# Altium PCB mach PCB.PcbDoc (part 5 of 6) (continued)
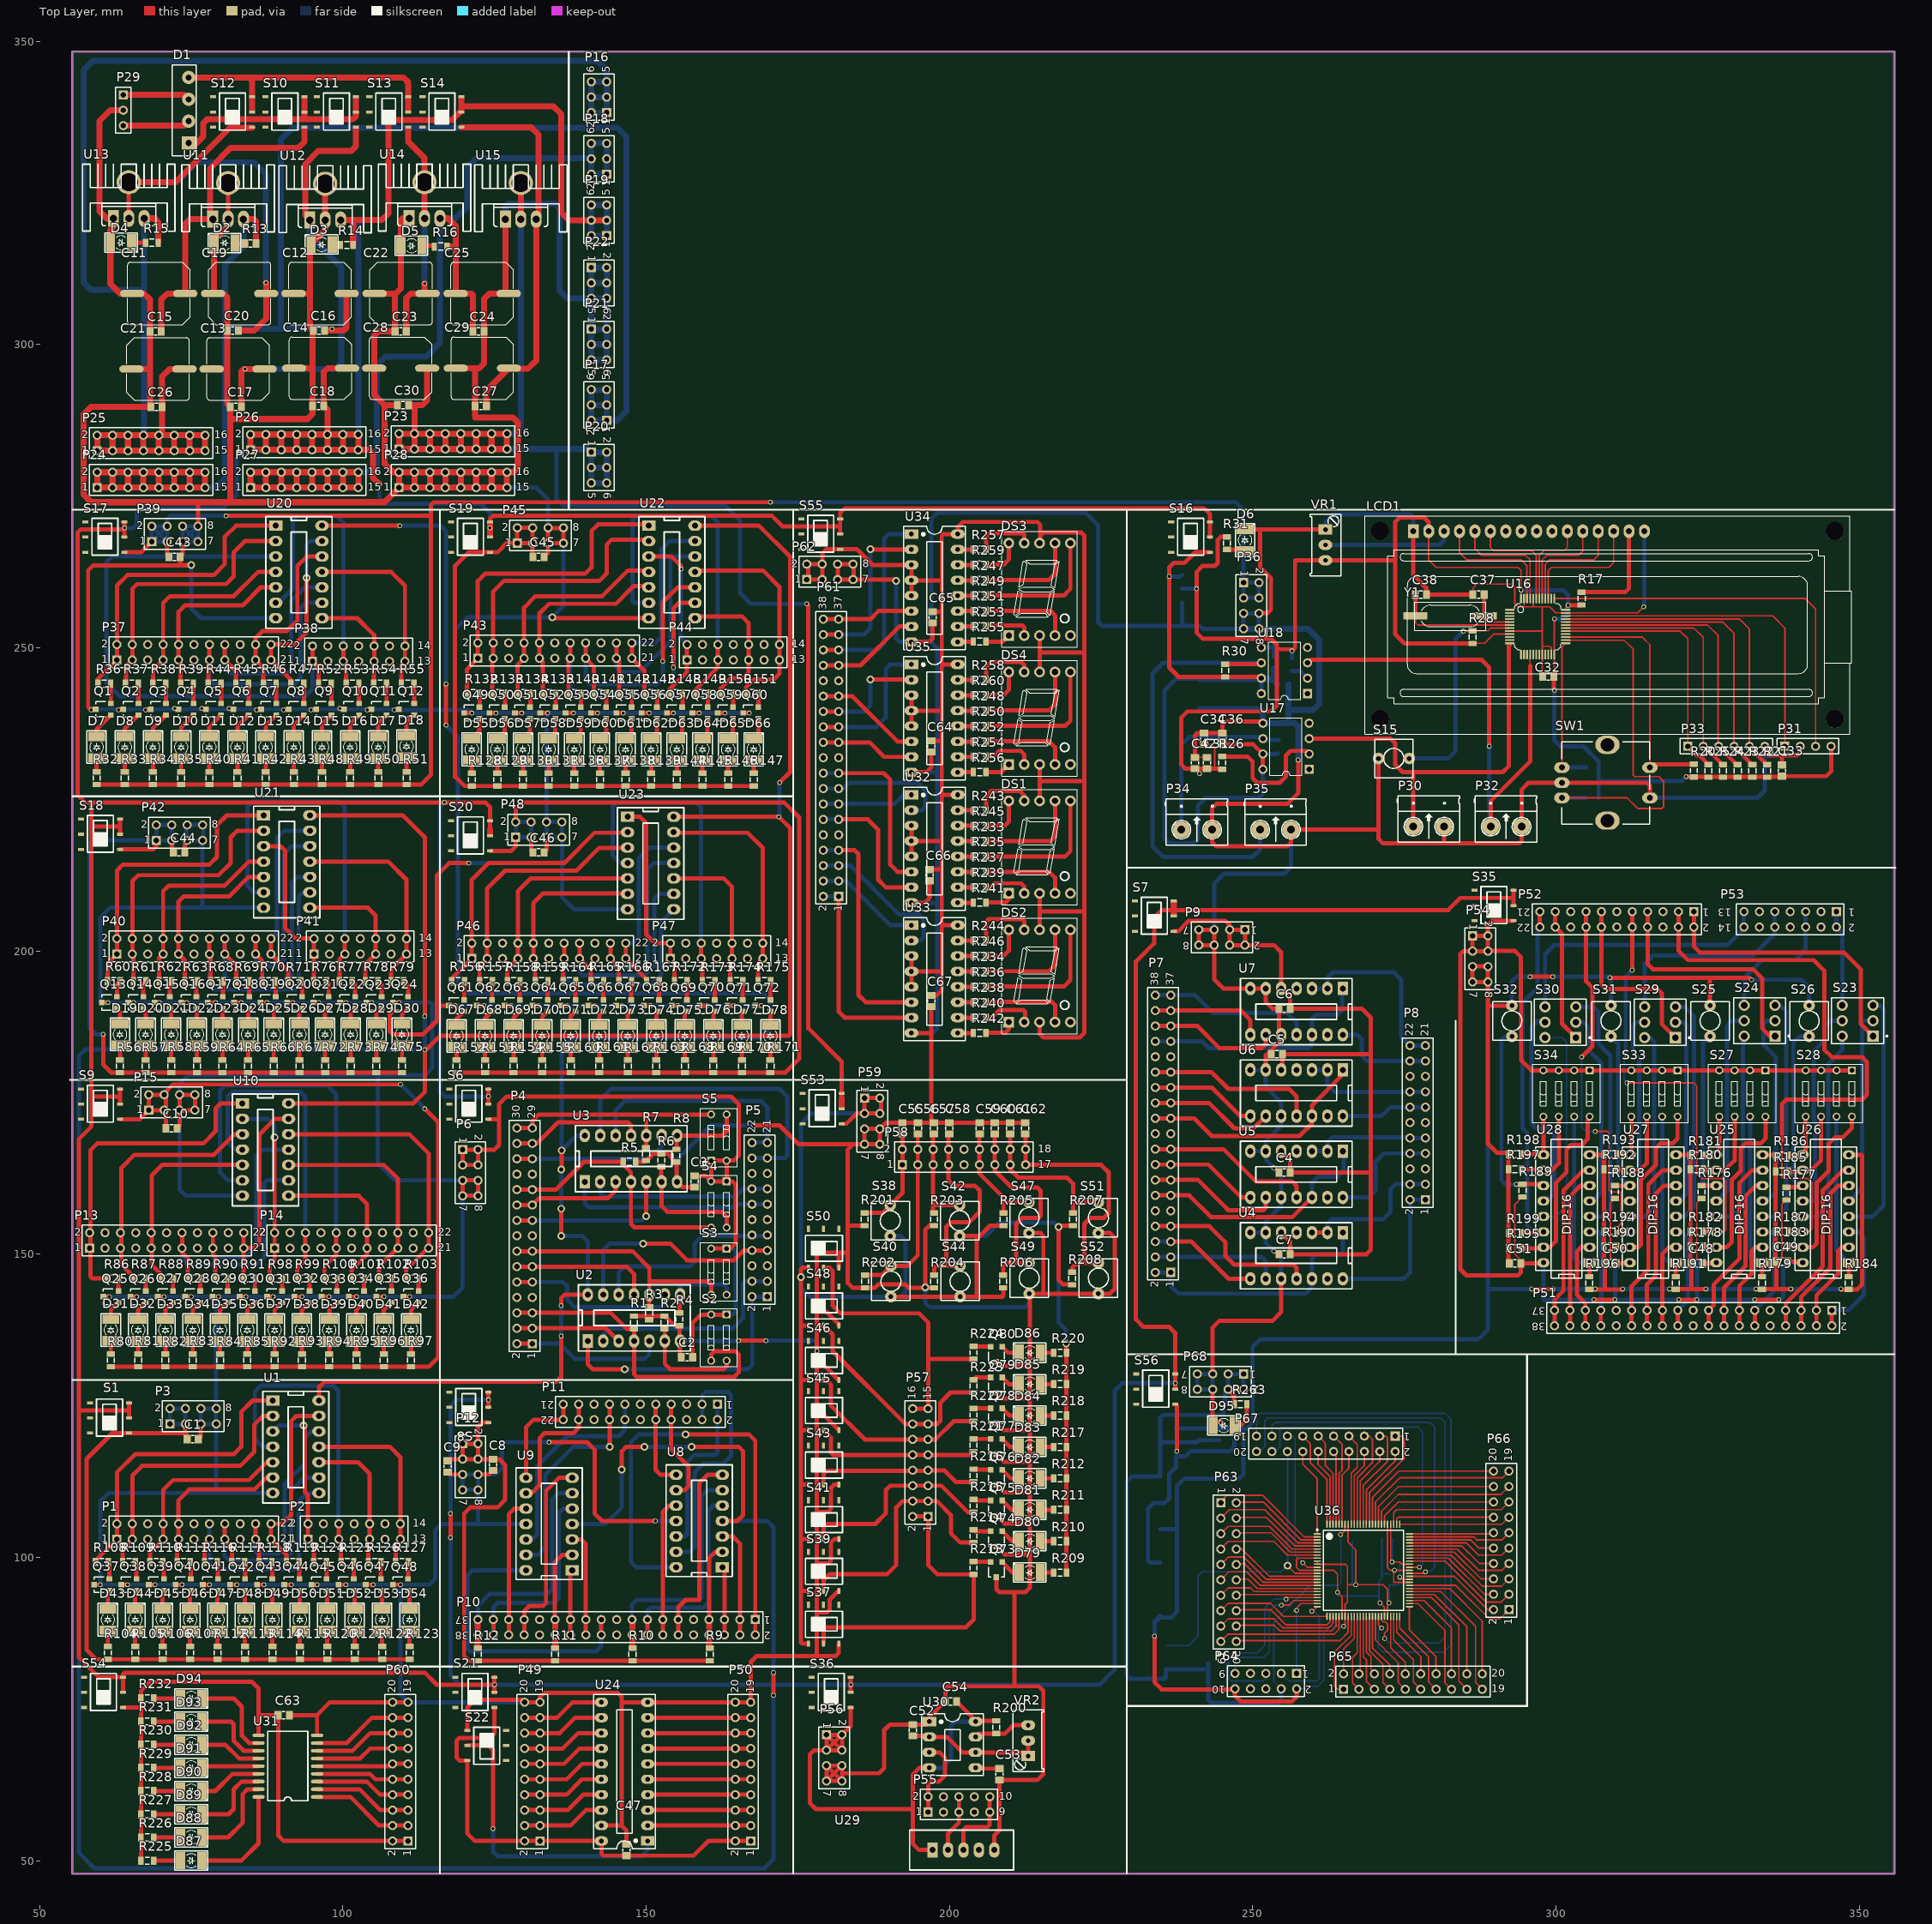
[diagram p0: Top Layer view]
## Nets (pads, with @x,y where several pads share a name; then routed paths per layer and width w, separated by ;. In a path a pad name is that pad's centre, name@x,y a point inside that pad or via, vN(x,y) a via of type N, cw(c..) or ccw(c..) an arc to the next point about the centre after c; other vN are vias at no path point) (continued)
SW6: C61.2 P58.15 P58.16 R207.1 S51.1 | length 25.8
  Top Layer w0.7: C61.2@210,169.825 210.03,169.795 P58.16@210.03,167.29 P58.15@210.03,164.75 210.03,163.97 211.36,162.64 219.36,162.64 220.393,161.607 R207.1@220.393,156.8 ; 220.813,158.563 S51.1@224.571,158.563
SW7: C62.2 P58.17 P58.18 R208.1 S52.1 | length 42.6
  Top Layer w0.7: C62.2@212.5,169.825 212.57,169.755 P58.18@212.57,167.29 P58.17@212.57,164.75 225,164.75 226.274,163.476 226.274,156.774 225.5,156 223.25,156 222.25,155 222.25,148.563 ; R208.1@220.25,147.05 220.25,147.75 221.063,148.563 222.25,148.563 ; S52.1@224.571,148.563 222.25,148.563
SWCLK: P31.3 U16.37 | length 66.5
  Top Layer w0.254: U16.37@299.75,258.116 341.134,258.116 342.83,256.42 P31.3@342.83,233.75
SWDIO: P31.1 U16.34 | length 56.6
  Top Layer w0.254: U16.34@301.5,255.273 335.727,255.273 337.75,253.25 P31.1@337.75,233.75
SYNC: P55.1 P55.2 U30.3 | length 13.8
  Top Layer w0.7: P55.1@196.5,58 P55.2@196.5,60.54 196.5,62.5 197,63 198.25,63 199.25,64 199.25,67 198.397,67.853 U30.3@196.69,67.853
TCK: P64.1 pad.6@257.25,91.25 R262.1 U36.24 | length 17.2
  Top Layer w0.254: 256.75,91.13 258,92.38 U36.24@260.65,92.38
  Bottom Layer w0.254: pad.6@257.25,91.25 P64.1@257.25,80.88 R262.1@259.67,80.88
TDI: P64.9 pad.7@254.75,92.13 U36.23 | length 23.7
  Top Layer w0.254: pad.7@254.75,92.13 256,92.13 256.75,92.88 U36.23@260.65,92.88
  Bottom Layer w0.254: P64.9@247.09,80.88 247.09,83.09 247.5,83.5 251.75,83.5 252.75,84.5 252.75,91.13 253.75,92.13 pad.7@254.75,92.13
TDO: P64.3 pad.5@259.75,91.13 U36.25 | length 20
  Top Layer w0.254: pad.5@259.75,91.13 259.9,91.13 U36.25@260.65,91.88
  Bottom Layer w0.254: P64.3@254.71,80.88 255.96,79.63 260.63,79.63 261,80 261,90.25 260.12,91.13 pad.5@259.75,91.13
TMS: P64.5 pad.8@255.5,93.13 R261.2 U36.22 | length 34.6
  Top Layer w0.254: pad.8@255.5,93.13 255.75,93.38 U36.22@260.65,93.38
  Bottom Layer w0.254: R261.2@244.8,82.5 246.013,82.5 ; P64.5@252.17,80.88 252.17,80.05 251.75,79.63 246.25,79.63 246.013,79.867 246.013,82.5 ; pad.8@255.5,93.13 253.5,93.13 252,91.63 252,85.5 250.75,84.25 246.5,84.25 246.013,83.763 246.013,82.5
TRIG: P55.9 P55.10 U29.3 | length 12.6
  Top Layer w0.7: U29.3@202.33,51.75 202.33,55.08 202.75,55.5 206.25,55.5 206.66,55.91 P55.9@206.66,58 P55.10@206.66,60.54
V+: D1.1 S10.2 S10.3 S11.2 S11.3 | length 45.2
  Top Layer w0.7: 93.53,337.245 101.785,337.245
  Top Layer w1: D1.1@74.575,333.242 75.938,333.242 77,334.304 77,336.5 77.634,337.134 101.674,337.134 101.785,337.245 102.166,337.626 S11.2@102.166,338.348 102.166,340.547 ; 93.53,337.245 93.657,337.372 S10.2@93.657,338.348 93.657,340.547
V-: D1.4 S12.2 S12.3 S13.2 S13.3 | length 46.8
  Top Layer w1: D1.4@74.575,344.042 84.513,344.042 ; 85.021,338.642 S12.3@85.021,340.848 85.021,343.534 84.513,344.042 ; 110.802,338.642 S13.3@110.802,340.848 110.802,343.214 109.974,344.042 84.513,344.042
V-AND: C43.1 P36.1 P36.2 P36.3 P36.4 P39.1 P39.2 P39.3 P39.4 pad.52 pad.79 R32.2 R33.2 R34.2 R35.2 R40.2 R41.2 R42.2 R43.2 R48.2 R49.2 R50.2 R51.2 S17.1 | length 327.7
  Top Layer w0.7: R32.2@59.403,227.45 R33.2@64.048,227.45 R34.2@68.693,227.45 R35.2@73.339,227.45 R40.2@77.984,227.45 R41.2@82.629,227.45 R42.2@87.274,227.45 R43.2@91.919,227.45 R48.2@96.564,227.45 R49.2@101.21,227.45 R50.2@105.855,227.45 R51.2@110.5,227.45 112.95,227.45 114.5,229 114.5,271.75 ; S17.1@63.996,265.75 66.75,265.75 P39.1@68.5,267.5 ; P39.3@71.04,267.5 71.04,265.285 C43.1@71.325,265 ; pad.52@80.75,271.75 114.5,271.75 ; pad.79@170.5,274 115,274 114.5,273.5 114.5,271.75
  Bottom Layer w0.7: pad.52@80.75,271.75 71.5,271.75 71.04,271.29 P39.4@71.04,270.04 P39.4@71.04,269.96 ; pad.79@170.5,274 247.25,274 248.5,272.75 P36.1@248.5,260.75 ; P39.1@68.5,267.5 P39.2@68.5,270.04 P39.2@68.54,270 ; P39.1@68.5,267.5 P39.3@71.04,267.5 ; P39.1@68.5,267.5 69.77,268.77 ; P39.2@68.54,270 69.77,268.77 ; P39.2@68.54,270 71,270 P39.4@71.04,269.96 ; 69.77,268.77 70.96,269.96 P39.4@71.04,269.96 ; 69.77,268.77 P39.3@71.04,267.5 ; P39.3@71.04,267.5 P39.4@71.04,269.96 ; P36.1@248.5,260.75 248.5,258.25 250.58,258.25 251.04,257.79 P36.4@251.04,258.21 P36.2@251.04,260.75 P36.1@248.5,260.75
V-BUFF: C47.1 P49.1 P49.2 P50.1 P50.2 S21.1 S22.3 U24.20 | length 78.2
  Top Layer w0.7: S21.1@124.996,75.15 124.996,70.996 124.25,70.25 119.25,70.25 118.75,69.75 118.75,67 119.25,66.5 S22.3@120.504,66.5 120.5,66.496 120.5,54.5 121.75,53.25 P49.2@129.96,53.25 P49.1@132.5,53.25 U24.20@142.63,53.25 142.63,51.12 142.925,50.825 C47.1@146.75,50.825 157.825,50.825 160.25,53.25 P50.2@164.71,53.25 P50.1@167.25,53.25
V-CPLD: C68.1 C69.1 C70.1 C71.1 C72.1 C73.1 C74.1 C75.1 C77.1 C79.2 P64.4 P68.1 P68.2 P68.3 P68.4 pad.1@264,94.25 pad.2@273.38,97.88 pad.3@271,92.5 pad.6@264.5,103.75 R261.1 R263.1 U36.9 U36.13 U36.31 U36.45 U36.59 U36.63 U36.80 U36.94 U37.2 Y2.4 | length 227.9
  Top Layer w0.254: R263.1@246.95,125.25 R263.1@246.95,125.75 ; U36.9@260.65,99.88 257.38,99.88 257.25,99.75 257.25,98.342 257.712,97.88 U36.13@260.65,97.88 263.37,97.88 264,97.25 pad.1@264,94.25 264.75,93.5 U36.31@264.75,90.28 ; pad.6@264.5,103.5 pad.6@264.5,103.75 265.25,104.5 U36.94@265.25,105.48 ; pad.3@271,92.5 271.75,91.75 U36.45@271.75,90.28 ; U36.80@272.25,105.48 272.25,98.25 272.62,97.88 pad.2@273.38,97.88 ; U36.59@275.85,95.88 273.37,95.88 273.25,96 273.25,97.75 pad.2@273.38,97.88 ; U36.63@275.85,97.88 pad.2@273.38,97.88
  Top Layer w0.7: P68.4@245.96,127.71 246.95,126.72 R263.1@246.95,125.75
  Bottom Layer w0.254: C77.1@234.75,113.374 234.75,123 ; 240.75,119 241.425,119 C74.1@241.75,119.325 ; C74.1@241.825,119.25 244.575,119.25 C79.2@244.5,119.325 ; 242.7,79.75 242.755,79.805 ; P64.4@254.71,78.34 253.5,79.55 253.5,89.38 259.5,95.38 C69.1@264.075,95.38 ; pad.6@264.5,103.75 264.5,102.705 C75.1@264.575,102.63 264.575,95.88 C69.1@264.075,95.38 ; pad.3@270.825,92.675 C70.1@270.825,93.63 ; C72.1@271.325,103.13 271.325,97.25 ; C68.1@272.5,97.305 271.38,97.305 271.325,97.25 ; C69.1@264.075,95.38 264.075,94.325 pad.1@264,94.25 264,93.75 264.12,93.63 C70.1@270.825,93.63 ; C70.1@270.825,93.63 270.825,96.075 271.325,96.575 271.325,97.25
  Bottom Layer w0.7: R261.1@242.7,82.5 242.7,81.548 ; C79.2@244.5,119.325 C74.1@241.75,119.325 241.075,119.325 240.75,119 U37.2@237.4,119 234.75,119 ; P64.4@254.71,78.34 254.71,76.46 254.25,76 243.25,76 242.7,76.55 242.7,77.05 242.7,79.75 242.7,81.548 ; 234.75,119 234.75,123 235.25,123.5 245,123.5 245.25,123.75 245.25,125.075 C71.1@245.425,125.25 245.425,127.175 P68.4@245.96,127.71 ; 234.75,119 C77.1@234.75,113.374 230.124,113.374 229.25,112.5 229.25,80.5 229.75,80 235.5,80 235.672,80.172 Y2.4@235.672,81.548 242.7,81.548 ; P68.4@245.96,127.71 P68.2@248.5,127.71 P68.1@248.5,130.25 P68.3@245.96,130.25 P68.4@245.96,127.71
V-DFF: C2.1 C3.1 P6.1 P6.2 P6.3 P6.4 S2.1 S2.2 S3.1 S3.2 S4.1 S4.2 S5.1 S5.2 S6.1 | length 129.1
  Top Layer w0.7: P6.1@119.75,167.25 P6.3@119.75,164.71 P6.4@122.29,164.71 P6.2@122.29,167.25 ; 120.5,167.25 P6.2@122.29,167.25 ; S6.1@123.996,172.25 125.75,172.25 ; C2.1@157.675,133 157.675,138.675 159,140 163.08,140 S2.1@163.27,139.81 ; C3.1@158,162.925 159.818,162.925 S4.2@160.73,162.013 ; S3.2@160.73,150.93 S3.1@163.27,150.93 163.93,150.93 164.75,151.75 164.75,161.5 164.237,162.013 S4.1@163.27,162.013 ; P6.2@122.29,167.25 125,167.25 125.75,168 125.75,172.25 ; 125.75,172.25 125.75,174.75 127,176 164,176 165.25,174.75 165.25,166.25 164.44,165.44 S5.2@163.27,165.44 ; S4.2@160.73,162.013 S4.1@163.27,162.013 ; S4.2@160.73,162.013 S5.1@160.73,165.44 S5.2@163.27,165.44 ; S4.1@163.27,162.013 S5.2@163.27,165.44
  Bottom Layer w0.7: S2.1@163.27,140.06 164.31,140.06 164.75,140.5 164.75,150.5 164.32,150.93 S3.1@163.27,150.93
V-JKFF: C8.1 C9.1 P12.1 P12.2 P12.3 P12.4 R9.2 R10.2 R11.2 R12.2 S8.1 | length 100.2
  Top Layer w0.7: C9.1@117.25,115.925 117.535,116.21 P12.3@119.75,116.21 ; S8.1@123.996,122.25 123,122.25 122.29,121.54 P12.2@122.29,118.75 ; R9.2@160.5,82.95 R10.2@147.75,82.95 R11.2@135,82.95 R12.2@122.25,82.95 120.8,82.95 120,83.75 120,107.25 121,108.25 125.5,108.25 126.75,109.5 126.75,115.25 125.825,116.175 C8.1@124.75,116.175 124.715,116.21 P12.4@122.29,116.21 ; P12.3@119.75,116.21 P12.4@122.29,116.21 ; P12.3@119.75,116.21 P12.1@119.75,118.75 P12.2@122.29,118.75 ; P12.4@122.29,116.21 P12.2@122.29,118.75
V-LED: C63.1 P60.1 P60.2 R225.2 R226.2 R227.2 R228.2 R229.2 R230.2 R231.2 R232.2 S54.1 U31.10 | length 103.7
  Top Layer w0.7: S54.1@63.746,75.25 66.45,75.25 ; R225.2@66.7,50 R226.2@66.7,53.821 R227.2@66.7,57.643 R228.2@66.7,61.464 R229.2@66.7,65.286 R230.2@66.7,69.107 R231.2@66.7,72.929 R232.2@66.7,76.75 66.7,77.95 68.25,79.5 85,79.5 86.098,78.402 86.098,74 ; U31.10@86.098,70.75 86.098,74 ; P60.1@110.75,53.25 P60.2@108.21,53.25 90.25,53.25 89.325,54.175 C63.1@89.325,74 86.098,74
V-LED7: C64.1 C65.1 C66.1 C67.1 DS1.3 DS1.8 DS2.3 DS2.8 DS3.3 DS3.8 DS4.3 DS4.8 P62.1 P62.2 P62.3 P62.4 S55.1 U32.3 U32.4 U32.5 U32.16 U33.3 U33.4 U33.5 U33.16 U34.3 U34.4 U34.5 U34.16 U35.3 U35.4 U35.5 U35.16 | length 319.5
  Top Layer w0.7: P62.1@176.5,261.25 P62.3@179.04,261.25 P62.4@179.04,263.79 ; P62.1@176.75,261.5 176.75,263.54 P62.2@176.5,263.79 P62.4@179.04,263.79 ; U33.5@193.75,194.09 U33.4@193.75,196.63 ; U33.3@193.75,199.17 U33.4@193.75,196.63 ; U32.5@193.75,215.59 U32.4@193.75,218.13 ; U32.3@193.75,220.67 U32.4@193.75,218.13 ; U35.5@193.75,237.09 U35.4@193.75,239.63 ; U35.3@193.75,242.17 U35.4@193.75,239.63 ; U34.5@193.75,258.59 U34.4@193.75,261.13 ; C66.1@196.75,213.425 198.425,213.425 198.5,213.5 198.75,213.25 ; C67.1@197,192.675 197.925,192.675 198.75,193.5 198.75,196.75 ; C64.1@197,234.675 198.675,234.675 198.75,234.75 ; C65.1@197.5,256.175 C65.1@197.25,255.925 198.675,255.925 198.75,256 ; 199,225.75 U32.16@201.37,225.75 ; U33.16@201.37,204.25 198.75,204.25 ; U35.16@201.37,247.25 198.75,247.25 ; DS2.3@214.877,188.265 214.877,186.373 215.5,185.75 221.5,185.75 222.25,186.5 222.25,206.5 ; DS2.8@214.877,203.505 214.877,206.5 ; DS1.3@214.877,209.515 214.877,206.5 ; DS1.8@214.877,224.755 214.877,228 ; DS4.3@214.877,230.765 214.877,228 ; DS4.8@214.877,246.005 214.877,249.25 ; DS3.3@214.877,252.015 214.877,249.25 ; DS3.8@214.877,267.255 215,267.378 215,268.5 ; P62.4@179.04,263.79 179.04,265.54 179.75,266.25 S55.1@181.996,266.25 184.75,266.25 187.33,263.67 U34.3@193.75,263.67 U34.4@193.75,261.13 ; U33.4@193.75,196.63 198.63,196.63 198.75,196.75 ; U32.4@193.75,218.13 198.63,218.13 198.75,218.25 ; U35.4@193.75,239.63 198.63,239.63 198.75,239.75 ; U34.4@193.75,261.13 198.75,261.13 ; 198.75,196.75 198.75,204.25 ; 198.75,204.25 198.75,213.25 ; 198.75,213.25 198.75,218.25 ; 198.75,218.25 198.75,234.75 ; 198.75,234.75 198.75,239.75 ; 198.75,239.75 198.75,247.25 ; 198.75,247.25 198.75,256 ; 198.75,256 198.75,261.13 ; 198.75,261.13 198.75,268.5 199,268.75 U34.16@201.37,268.75 201.37,269.87 202.25,270.75 214.5,270.75 215,270.25 215,268.5 ; 214.877,206.5 222.25,206.5 ; 214.877,228 222.25,228 ; 214.877,249.25 222.25,249.25 ; 215,268.5 215.5,269 221.75,269 222.25,268.5 222.25,249.25 ; 222.25,206.5 222.25,228 ; 222.25,228 222.25,249.25
V-LS90: C4.1 C5.1 C6.1 C7.1 P9.1 P9.2 P9.3 P9.4 S7.1 U4.5 U5.5 U6.5 U7.5 | length 142.3
  Top Layer w0.7: S7.1@236.996,203.25 237.75,203.25 239.5,205 245.5,205 246.21,204.29 P9.3@246.21,203.5 ; U4.5@254.71,153.56 256.175,152.095 C7.1@256.175,150 268.75,150 269.5,150.75 269.5,163.5 ; U5.5@254.71,166.977 256.175,165.512 C4.1@256.175,163.5 269.5,163.5 ; U6.5@254.71,180.393 254.925,180.608 C5.1@254.925,183 269.25,183 269.5,183.25 ; P9.3@246.21,203.5 P9.1@248.75,203.5 P9.2@248.75,200.96 ; P9.3@246.21,203.5 P9.4@246.21,200.96 P9.2@248.75,200.96 ; P9.2@248.75,200.96 253.54,200.96 254.71,199.79 U7.5@254.71,193.81 256.175,192.345 C6.1@256.175,190.5 268,190.5 269.5,189 269.5,183.25 ; 269.5,163.5 269.5,183.25
V-LS192: C48.1 C49.1 C50.1 C51.1 P54.1 P54.2 P54.3 P54.4 pad.4@306.25,142.5 pad.5@320.25,142.5 pad.6@309.75,142.5 pad.7@323.25,142.5 pad.8@336.75,142.5 pad.10@332.75,142.5 R176.2 R177.2 R188.2 R189.2 S27.1 S27.2 S27.3 S27.4 S28.1 S28.2 S28.3 S28.4 S33.1 S33.2 S33.3 S33.4 S34.1 S34.2 S34.3 S34.4 S35.1 U25.16 U26.16 U27.16 U28.16 | length 289.5
  Top Layer w0.254: C51.1@294.2,148.5 294.2,149.05 293.25,150 293.25,158.2 R189.2@294.5,159.45 ; R188.2@309.75,159.2 309,158.45 309,149.425 C50.1@309.925,148.5 ; R176.2@324,159.2 323.25,158.45 323.25,149.425 C48.1@324.175,148.5 ; R177.2@338,158.95 337.25,158.2 337.25,149.675 C49.1@338.175,148.75
  Top Layer w0.7: S35.1@292.996,205 289.5,205 288.79,204.29 P54.2@288.79,202.5 ; U28.16@297.942,148.603 297.839,148.5 C51.1@294.2,148.5 294.2,146.95 293.75,146.5 285.25,146.5 284.25,147.5 284.25,199.5 284.71,199.96 P54.3@286.25,199.96 ; pad.4@306.25,142.5 pad.6@309.75,142.5 ; C50.1@309.675,148.5 C50.1@309.925,148.5 312.089,148.5 U27.16@312.192,148.603 ; pad.5@320.25,142.5 pad.7@323.25,142.5 ; C48.1@323.925,148.5 C48.1@324.175,148.5 326.339,148.5 U25.16@326.442,148.603 ; pad.10@332.75,142.5 pad.8@336.75,142.5 ; C49.1@338.175,148.75 340.544,148.75 U26.16@340.692,148.603 ; S28.1@348.81,180.31 S28.2@346.27,180.31 S28.3@343.73,180.31 S28.4@341.19,180.31 S27.1@334.56,180.31 S27.2@332.02,180.31 S27.3@329.48,180.31 S27.4@326.94,180.31 S33.1@320.06,180.31 S33.2@317.52,180.31 S33.3@314.98,180.31 S33.4@312.44,180.31 S34.1@305.56,180.31 S34.2@303.02,180.31 S34.3@300.48,180.31 S34.4@297.94,180.31 295.94,180.31 294.253,181.997 294.253,191.625 294.25,191.627 294.25,199 293.25,200 288.83,200 P54.4@288.79,199.96 ; P54.3@286.25,199.96 P54.1@286.25,202.5 P54.2@288.79,202.5 ; P54.3@286.25,199.96 P54.4@288.79,199.96 ; P54.4@288.79,199.96 P54.2@288.79,202.5
  Bottom Layer w0.7: U28.16@297.942,148.603 297.942,142.5 pad.4@306.25,142.5 ; U27.16@312.192,148.603 310.353,148.603 309.75,148 pad.6@309.75,142.5 pad.5@320.25,142.5 ; U25.16@326.442,148.603 323.603,148.603 323.25,148.25 pad.7@323.25,142.5 pad.10@332.75,142.5 ; pad.8@336.75,142.5 337,142.5 337.5,143 337.5,148 338.103,148.603 U26.16@340.692,148.603
V-NAND: C45.1 P45.1 P45.2 P45.3 P45.4 R128.2 R129.2 R130.2 R131.2 R136.2 R137.2 R138.2 R139.2 R144.2 R145.2 R146.2 R147.2 S19.1 | length 108.9
  Top Layer w0.7: P45.3@131.25,267.29 P45.3@131.29,267.25 ; C45.1@131.29,265.035 P45.3@131.29,267.25 ; R147.2@167.75,227.2 R146.2@163.523,227.2 R145.2@159.295,227.2 R144.2@155.068,227.2 R139.2@150.841,227.2 R138.2@146.614,227.2 R137.2@142.386,227.2 R136.2@138.159,227.2 R131.2@133.932,227.2 R130.2@129.705,227.2 R129.2@125.477,227.2 R128.2@121.25,227.2 120.05,227.2 118.5,228.75 118.5,263.5 120.75,265.75 S19.1@124.246,265.75 125.5,265.75 127,267.25 P45.1@128.75,267.25 ; P45.1@128.75,267.25 P45.3@131.29,267.25 ; P45.1@128.75,267.25 P45.2@128.75,269.79 P45.4@131.29,269.79 P45.3@131.29,267.25
V-NOR: C46.1 P48.1 P48.2 P48.3 P48.4 R152.2 R153.2 R154.2 R155.2 R160.2 R161.2 R162.2 R163.2 R168.2 R169.2 R170.2 R171.2 S20.1 | length 166.7
  Top Layer w0.7: R152.2@118.75,179.95 R153.2@123.455,179.95 R154.2@128.159,179.95 R155.2@132.864,179.95 R160.2@137.568,179.95 R161.2@142.273,179.95 R162.2@146.977,179.95 R163.2@151.682,179.95 R168.2@156.386,179.95 R169.2@161.091,179.95 R170.2@165.795,179.95 R171.2@170.5,179.95 172.95,179.95 175.25,182.25 175.25,222 172.75,224.5 129.5,224.5 128.5,223.5 P48.2@128.5,221.29 ; S20.1@124.246,216.5 127.75,216.5 128.5,217.25 P48.1@128.5,218.75 ; P48.3@131.04,218.75 131.04,216.535 C46.1@131.325,216.25
  Bottom Layer w0.7: P48.4@131,221.5 131.04,221.46 P48.4@131.04,221.29 ; P48.4@131.04,221.29 P48.3@131.04,218.75 P48.1@128.5,218.75 P48.2@128.5,221.29 P48.4@131.04,221.29
V-NOT: C10.1 P15.1 P15.2 P15.3 P15.4 pad.39@109.5,178 pad.40@113.5,174 R80.2 R81.2 R82.2 R83.2 R84.2 R85.2 R92.2 R93.2 R94.2 R95.2 R96.2 R97.2 S9.1 | length 160.7
  Top Layer w0.7: R80.2@61.75,131.45 R81.2@66.25,131.45 R82.2@70.75,131.45 R83.2@75.25,131.45 R84.2@79.75,131.45 R85.2@84.25,131.45 R92.2@88.75,131.45 R93.2@93.25,131.45 R94.2@97.75,131.45 R95.2@102.25,131.45 R96.2@106.75,131.45 R97.2@111.25,131.45 114.2,131.45 115.75,133 115.75,171.75 pad.40@113.5,174 ; S9.1@63.246,172.25 66.5,172.25 P15.1@68,173.75 ; P15.3@70.54,173.75 P15.1@68,173.75 ; C10.1@70.825,170.75 70.825,176.005 P15.4@70.54,176.29 ; pad.39@109.5,178 72,178 70.54,176.54 P15.4@70.54,176.29 ; P15.1@68,173.75 P15.2@68,176.29 P15.4@70.54,176.29
  Bottom Layer w0.7: pad.39@109.5,178 111,176.5 pad.40@113.5,174
V-OR: C44.1 P42.1 P42.2 P42.3 P42.4 pad.80 R56.2 R57.2 R58.2 R59.2 R64.2 R65.2 R66.2 R67.2 R72.2 R73.2 R74.2 R75.2 S18.1 | length 118.6
  Top Layer w0.7: pad.80@60.5,186.25 60.5,181.25 61.8,179.95 R56.2@63.25,179.95 R57.2@67.477,179.95 R58.2@71.705,179.95 R59.2@75.932,179.95 R64.2@80.159,179.95 R65.2@84.386,179.95 R66.2@88.614,179.95 R67.2@92.841,179.95 R72.2@97.068,179.95 R73.2@101.295,179.95 R74.2@105.523,179.95 R75.2@109.75,179.95 ; S18.1@63.246,216.75 68.75,216.75 69.25,217.25 P42.1@69.25,218.25 ; P42.3@71.79,218.25 71.79,216.535 C44.1@72.075,216.25
  Bottom Layer w0.7: pad.80@60.5,186.25 59.25,186.25 58.25,187.25 58.25,217.75 58.75,218.25 P42.1@69.25,218.25 ; P42.1@69.25,218.25 P42.3@71.79,218.25 P42.4@71.79,220.79 P42.2@69.25,220.79 P42.1@69.25,218.25
V-P3V3: C31.2 C32.2 C33.2 C34.2 C40.1 C42.2 LCD1.2 P31.4 pad.64 pad.65 pad.67 pad.70 pad.73 pad.76 pad.77 pad.78 R17.1 R18.2 R19.2 R20.2 R21.1 R22.1 R23.1 R24.1 R25.1 R26.1 R28.2 R29.1 R31.1 U16.9 U16.24 U16.36 U16.48 U19.2 VR1.3 | length 317.8
  Top Layer w0.254: C34.2@242,234.075 243.175,234.075 243.75,233.5 243.75,230.075 ; 273.33,264.92 273.5,264.75 ; 275,271.25 278.25,271.25 279.04,270.46 279.04,264.46 280.25,263.25 293.75,263.25 294.25,262.75 U16.48@294.25,258.116 ; 277.25,250.75 288.25,250.75 289.75,252.25 U16.9@292.384,252.25 ; C32.2@299.675,245.25 299.75,245.325 U16.24@299.75,248.884 pad.76@299.75,254.75 pad.76@299.75,255 ; U16.36@301.616,256.25 301.616,256.616 pad.77@302,257 ; R17.1@304.184,257 R17.1@304.25,257.066 ; 326.679,228.65 R24.1@327.57,228.65 R23.1@329.75,228.65 ; R23.1@329.65,228.75 R23.1@329.75,228.65 ; 344.075,228.825 343.9,228.65 R21.1@334.8,228.65 R22.1@332.39,228.65 R23.1@329.98,228.65 R23.1@329.75,228.65
  Top Layer w0.7: R26.1@245,229.975 244.9,230.075 243.75,230.075 C31.2@242.5,230.075 C42.2@240.5,230.075 238.925,230.075 238.25,230.75 238.25,238.5 239.25,239.5 253,239.5 254,240.5 254,249.75 ; R31.1@245.75,268.3 244.75,268.3 244.25,267.8 244.25,264 243.75,263.5 241.75,263.5 240.75,262.5 pad.73@240.75,259.75 240.75,252.5 241.75,251.5 253,251.5 254,250.5 254,249.75 ; LCD1.2@279.04,269.22 279.04,270.71 278.25,271.5 274.25,271.5 273.5,270.75 273.5,264.75 ; R28.2@286.25,250.7 275.05,250.7 273.5,252.25 273.5,254.5 273.5,264.75 ; C32.2@299.675,245.25 299.675,243.075 pad.65@299.75,243 ; pad.77@302,257 R17.1@304.184,257 ; pad.64@321.5,228.75 329.65,228.75 337.175,228.75 C33.2@337.25,228.825 344.075,228.825 344.575,228.825 345.37,229.62 P31.4@345.37,233.75 ; 254,249.75 256.25,249.75 pad.70@256.5,249.5 257,250 257,264.42 273.17,264.42 273.5,264.75
  Bottom Layer w0.7: U19.2@238.35,259.75 pad.73@240.75,259.75 ; R29.1@256.5,248.3 pad.70@256.5,249.5 ; pad.78@294.25,259.5 301.25,259.5 302,258.75 pad.77@302,257 302,255.5 301.25,254.75 pad.76@299.75,254.75 ; pad.65@299.75,243 299.75,234.75 300.75,233.75 304.55,233.75 307.05,231.25 R19.2@307.05,230.25 307.05,228 ; R18.2@307.05,225.25 307.05,228 ; pad.64@321.5,228.75 320.75,228 307.05,228
V-P5V: C35.2 C36.2 C39.2 C41.1 pad.72 R27.1 R30.1 S16.1 U17.7 U17.8 U18.7 U18.8 U19.3 | length 132.6
  Top Layer w0.7: S16.1@242.996,265.75 240.5,265.75 238.75,264 237,264 236.25,263.25 pad.72@236.25,261.75 236.25,246.75 237.8,245.2 R30.1@245.5,245.2 251.22,245.2 U18.7@251.44,244.98 ; C36.2@245,234.075 250.095,234.075 U17.7@251.69,232.48 U17.8@251.69,229.94
  Bottom Layer w0.254: R27.1@254.14,232.59 R27.1@254.25,232.7
  Bottom Layer w0.7: pad.72@236.25,261.75 238.05,261.75 U19.3@238.35,262.05 ; C41.1@241.25,244.876 237.376,244.876 235.5,243 235.5,218.5 236.25,217.75 240.25,217.75 241,218.5 241,224 242.25,225.25 251,225.25 251.69,225.94 U17.8@251.69,229.94 ; U18.8@251.44,242.44 U18.7@251.44,244.876 ; U18.7@251.44,244.98 253.23,244.98 ; U17.7@251.69,232.48 254.03,232.48 R27.1@254.14,232.59
  Bottom Layer w1: C41.1@241.25,244.876 251.44,244.876 253.126,244.876 253.23,244.98 253.5,245.25 ; C39.2@253.5,246.575 253.5,245.25 ; C35.2@254.075,244 253.5,244.575 253.5,245.25
V-SRF05: C54.2 P56.1 P56.2 P56.3 P56.4 R200.2 S36.1 U29.1 U30.4 U30.8 | length 91.1
  Top Layer w0.7: S36.1@183.746,75.25 183.746,72.206 P56.2@182.29,70.75 ; 193.75,58.5 178,58.5 177,59.5 177,67.5 177.71,68.21 P56.3@179.75,68.21 ; U30.4@196.69,65.313 195.063,65.313 194,64.25 194,52.75 195,51.75 U29.1@197.25,51.75 ; C54.2@201.175,76.25 204.31,73.115 U30.8@204.31,72.933 204.427,73.05 R200.2@207.75,73.05 ; P56.3@179.75,68.21 P56.4@182.29,68.21 ; P56.3@179.75,68.21 P56.1@179.75,70.75 ; P56.3@179.75,68.21 181.02,69.48 ; P56.1@179.75,70.75 P56.2@182.29,70.75 ; P56.1@179.75,70.75 181.02,69.48 ; 181.02,69.48 P56.4@182.29,68.21 ; 181.02,69.48 P56.2@182.29,70.75 ; P56.4@182.29,68.21 P56.2@182.29,70.75
  Bottom Layer w0.7: U30.4@196.69,65.313 198.813,65.313 200.25,66.75 200.25,72.25 200.933,72.933 U30.8@204.31,72.933
V-SW: P59.1 P59.2 P59.3 P59.4 R205.2 R206.2 R207.2 R208.2 R209.2 R210.2 R211.2 R212.2 R217.2 R218.2 R219.2 R220.2 S37.1 S38.1 S39.1 S40.1 S41.1 S42.1 S43.1 S44.1 S45.1 S46.1 S48.1 S50.1 S53.1 | length 280.7
  Top Layer w0.7: S37.1@176.75,85.754 175.754,85.754 175.75,85.75 175.5,86 175.5,94.5 ; S39.1@176.75,94.504 175.504,94.504 175.5,94.5 ; S41.1@176.75,103.004 176.746,103 175.5,103 ; S43.1@176.75,112.004 176.746,112 175.5,112 ; S45.1@176.75,121.004 175.504,121.004 175.5,121 ; S46.1@176.75,129.254 175.746,129.254 175.5,129.5 ; S48.1@176.75,138.254 175.504,138.254 175.5,138.25 ; S50.1@176.75,147.754 175.754,147.754 175.5,147.5 v1(175.5,146.25) 175.5,138.25 ; S53.1@182.246,171.5 183,171.5 184.71,173.21 P59.3@186,173.21 ; P59.4@188.54,173.21 P59.3@186,173.21 ; P59.4@188.75,173.25 188.75,175.54 P59.2@188.54,175.75 P59.1@186,175.75 P59.3@186,173.21 ; S40.1@190.357,143 S44.1@201.762,143 204.5,143 ; S42.1@201.69,153 204.5,153 ; R206.2@208.869,144.45 208.869,143.119 208.75,143 204.5,143 ; R205.2@208.929,154.7 206.7,154.7 205,153 204.5,153 ; v1(219.25,135.25) 219.3,135.2 R220.2@219.3,133.75 R219.2@219.3,128.571 R218.2@219.3,123.393 R217.2@219.3,118.214 R212.2@219.3,113.036 R211.2@219.3,107.857 R210.2@219.3,102.679 R209.2@219.3,97.5 ; R208.2@220.25,144.95 220.2,145 218.75,145 218,145.75 218,154.25 218.45,154.7 R207.2@220.393,154.7 ; 175.5,94.5 175.5,103 ; 175.5,103 175.5,112 ; 175.5,112 175.5,121 ; 175.5,121 175.5,129.5 ; 175.5,129.5 175.5,138.25 ; 204.5,143 204.5,153
  Bottom Layer w0.7: P59.3@186,173.21 177.21,173.21 175.5,171.5 v1(175.5,146.25) 175.5,144.5 177,143 S40.1@190.357,143 192,143 192.75,143.75 192.75,152.25 192,153 S38.1@190.25,153 ; S42.1@201.69,153 206,153 208.186,155.186 217.314,155.186 v1(218,154.5) 218,138.75 219.25,137.5 v1(219.25,135.25)
V-XOR: C1.1 P3.1 P3.2 P3.3 P3.4 R104.2 R105.2 R106.2 R107.2 R112.2 R113.2 R114.2 R115.2 R120.2 R121.2 R122.2 R123.2 S1.1 | length 116.2
  Top Layer w0.7: P3.3@74.04,122 74.04,120.5 ; C1.1@74.325,119.5 74.325,120.215 74.04,120.5 ; R123.2@111,83.2 R122.2@106.477,83.2 R121.2@101.955,83.2 R120.2@97.432,83.2 R115.2@92.909,83.2 R114.2@88.386,83.2 R113.2@83.864,83.2 R112.2@79.341,83.2 R107.2@74.818,83.2 R106.2@70.295,83.2 R105.2@65.773,83.2 R104.2@61.25,83.2 59.3,83.2 57.75,84.75 57.75,116.25 62,120.5 S1.1@64.746,120.5 74.04,120.5
  Bottom Layer w0.7: P3.3@74,122 P3.1@71.5,122 P3.2@71.5,124.54 P3.4@74.04,124.54 P3.3@74.04,122
VCC: pad.37@113.5,183.75 pad.38@113.5,189.25 pad.50 pad.51 pad.60 pad.61 U8.4 U9.4 U10.14 U21.14 U22.14 U23.14 | length 684.6
  Top Layer w0.7: U10.14@91.06,174.87 111.62,174.87 113.5,176.75 pad.37@113.5,183.75 113.75,183.75 116,186 173.5,186 173.75,186.25 173.75,220.25 pad.61@171.88,222.12 U23.14@154.56,222.12 ; U21.14@94.56,222.37 109.88,222.37 113.5,218.75 pad.38@113.5,189.25 ; v1(146,114.5) 146,117.5 146.75,118.25 v1(149.75,118.25) ; v1(157.5,118.25) 165.25,118.25 166,117.5 166,107 165,106 U8.4@162.56,106 ; U22.14@158.06,270.12 168.63,270.12 173.75,265 173.75,229.5 pad.60@172,227.75 ; pad.50@171,77.25 pad.51@171,81
  Bottom Layer w0.7: pad.38@113.5,189.25 pad.37@113.5,183.75 57.5,183.75 56.5,182.75 56.5,51.25 59,48.75 169.5,48.75 171,50.25 pad.50@171,77.25 ; U9.4@137.81,105.5 143.25,105.5 146,108.25 v1(146,114.5) ; v1(149.75,118.25) v1(157.5,118.25) ; U8.4@162.56,106 170,106 171,105 pad.51@171,81 ; pad.61@171.88,222.12 172,222.24 pad.60@172,227.75
VDD: pad.47@136,136.5 pad.48@136,141.5 pad.57 pad.58 pad.59 U1.14 U2.14 U3.14 U20.14 | length 298.9
  Top Layer w0.7: U1.14@96.06,125.87 96.06,128.06 97,129 135.25,129 136,129.75 pad.47@136,136.5 ; U20.14@96.56,270.12 pad.59@109.375,270.125 ; pad.57@117,237.25 pad.58@117,244 ; pad.48@136,141.5 136,142.75 136.56,143.31 U2.14@140.38,143.31 ; v1(136,153) v1(136,157.5) ; v1(136,164) 136.074,164.074 v1(136.074,167.115)
  Bottom Layer w0.7: pad.59@109.375,270.125 116.125,270.125 117,269.25 pad.58@117,244 ; pad.57@117,237.25 119,235.25 119,194.75 120.75,193 169.5,193 170.5,192 170.5,187.5 168.75,185.75 138,185.75 136.074,183.824 v1(136.074,167.115) 138.519,169.56 U3.14@139.88,169.56 ; pad.47@136,136.5 pad.48@136,141.5 ; v1(136,153) 139.5,153 140.38,152.12 U2.14@140.38,143.31 ; v1(136,157.5) v1(136,164)
X1: C37.2 U16.5 Y1.1 | length 8.5
  Top Layer w0.254: Y1.1@288.262,255.25 288.262,254.488 288.5,254.25 U16.5@292.384,254.25
  Top Layer w0.7: C37.2@288.175,258.75 288.175,255.337 Y1.1@288.262,255.25
X2: C38.2 U16.6 Y1.2 | length 19.9
  Top Layer w0.254: Y1.2@276.825,255.257 Y1.2@276.832,255.25 276.832,254.168 277.25,253.75 U16.6@291.93,253.75
  Top Layer w0.7: Y1.2@276.825,255.257 C38.2@276.825,258.75
XORI1: P1.1 P1.2 R108.2 U1.1 | length 50.2
  Top Layer w0.7: R108.2@59.2,99.25 59.2,99.45 P1.1@62.75,103 P1.2@62.75,105.54 62.75,114 65.75,117 82,117 83.25,118.25 83.25,124 85.12,125.87 U1.1@88.44,125.87
XORI2: P1.3 P1.4 R109.2 U1.2 | length 44.8
  Top Layer w0.7: R109.2@63.7,99.25 63.7,101.389 65.29,102.979 P1.3@65.29,103 P1.4@65.29,105.54 65.29,113.484 66.903,115.097 83.097,115.097 85.375,117.375 85.375,121.875 86.83,123.33 U1.2@88.44,123.33
XORI3: P1.7 P1.8 R110.2 U1.5 | length 32.7
  Top Layer w0.7: R110.2@68.2,99.25 68.2,100.83 P1.7@70.37,103 P1.8@70.37,105.54 70.37,111.12 72,112.75 84.5,112.75 87.46,115.71 U1.5@88.44,115.71
XORI4: P1.9 P1.10 R111.2 U1.6 | length 27.3
  Top Layer w0.7: R111.2@72.7,99.25 72.7,102.79 P1.9@72.91,103 P1.10@72.91,105.54 72.91,109.41 74.75,111.25 85.5,111.25 87.42,113.17 U1.6@88.44,113.17
XORI5: P1.13 P1.14 R116.2 U1.8 | length 40.2
  Top Layer w0.7: R116.2@77.2,99.25 77.2,102.21 P1.13@77.99,103
  Bottom Layer w0.7: P1.14@77.99,105.54 P1.13@77.99,103 77.99,99.26 79.25,98 91.75,98 92.75,99 92.75,109.25 94.13,110.63 U1.8@96.06,110.63
XORI6: P1.15 P1.16 R117.2 U1.9 | length 39.6
  Top Layer w0.7: P1.16@80.53,105.54 P1.15@80.53,103 81.7,101.83 R117.2@81.7,99.25
  Bottom Layer w0.7: P1.16@80.53,105.54 P1.15@80.53,103 80.53,100.22 81.25,99.5 90.25,99.5 91.5,100.75 91.5,111 93.67,113.17 U1.9@96.06,113.17
XORI7: P1.19 P1.20 R118.2 U1.12 | length 38.8
  Top Layer w0.7: P1.20@85.61,105.54 P1.19@85.61,103 86.2,102.41 R118.2@86.2,99.25
  Bottom Layer w0.7: P1.20@85.61,105.54 85.5,105.43 85.5,101 85.9,100.6 89.35,100.6 90.4,101.65 90.4,112.15 93.75,115.5 93.75,119.75 94.79,120.79 U1.12@96.06,120.79
XORI8: P1.21 P1.22 R119.2 U1.13 | length 31.7
  Top Layer w0.7: R119.2@90.7,99.25 90.7,100.45 P1.21@88.15,103 P1.22@88.15,105.54 90.04,105.54 91.5,107 91.5,122.5 92.33,123.33 U1.13@96.06,123.33
XORO1: P2.1 P2.2 R124.2 U1.3 | length 28.6
  Top Layer w0.7: v1@93.75,121.75 93.75,110.75 94.21,110.29 94.21,105.58 P2.2@94.25,105.54 P2.1@94.25,103 95.2,102.05 R124.2@95.2,99.25
  Bottom Layer w0.7: U1.3@88.44,120.79 89.4,121.75 v1(93.5,121.75)
XORO2: P2.5 P2.6 R125.2 U1.4 | length 54.4
  Top Layer w0.7: P2.6@99.25,105.62 P2.6@99.33,105.54 P2.5@99.33,103 99.7,102.63 R125.2@99.7,99.25
  Bottom Layer w0.7: U1.4@88.44,118.25 86.75,118.25 85.5,119.5 85.5,127.35 86.5,128.35 98.4,128.35 99.25,127.5 99.25,105.62 P2.6@99.33,105.54
XORO3: P2.9 P2.10 R126.2 U1.10 | length 23.8
  Top Layer w0.7: U1.10@96.06,115.71 102.5,115.71 104.41,113.8 P2.10@104.41,105.54 P2.9@104.41,103 104.2,102.79 R126.2@104.2,99.25
XORO4: P2.13 P2.14 R127.2 U1.11 | length 31.7
  Top Layer w0.7: U1.11@96.06,118.25 107.75,118.25 109.49,116.51 P2.14@109.49,105.54 P2.13@109.49,103 108.7,102.21 R127.2@108.7,99.25